# KiCad board vga.kicad_pcb (continued)
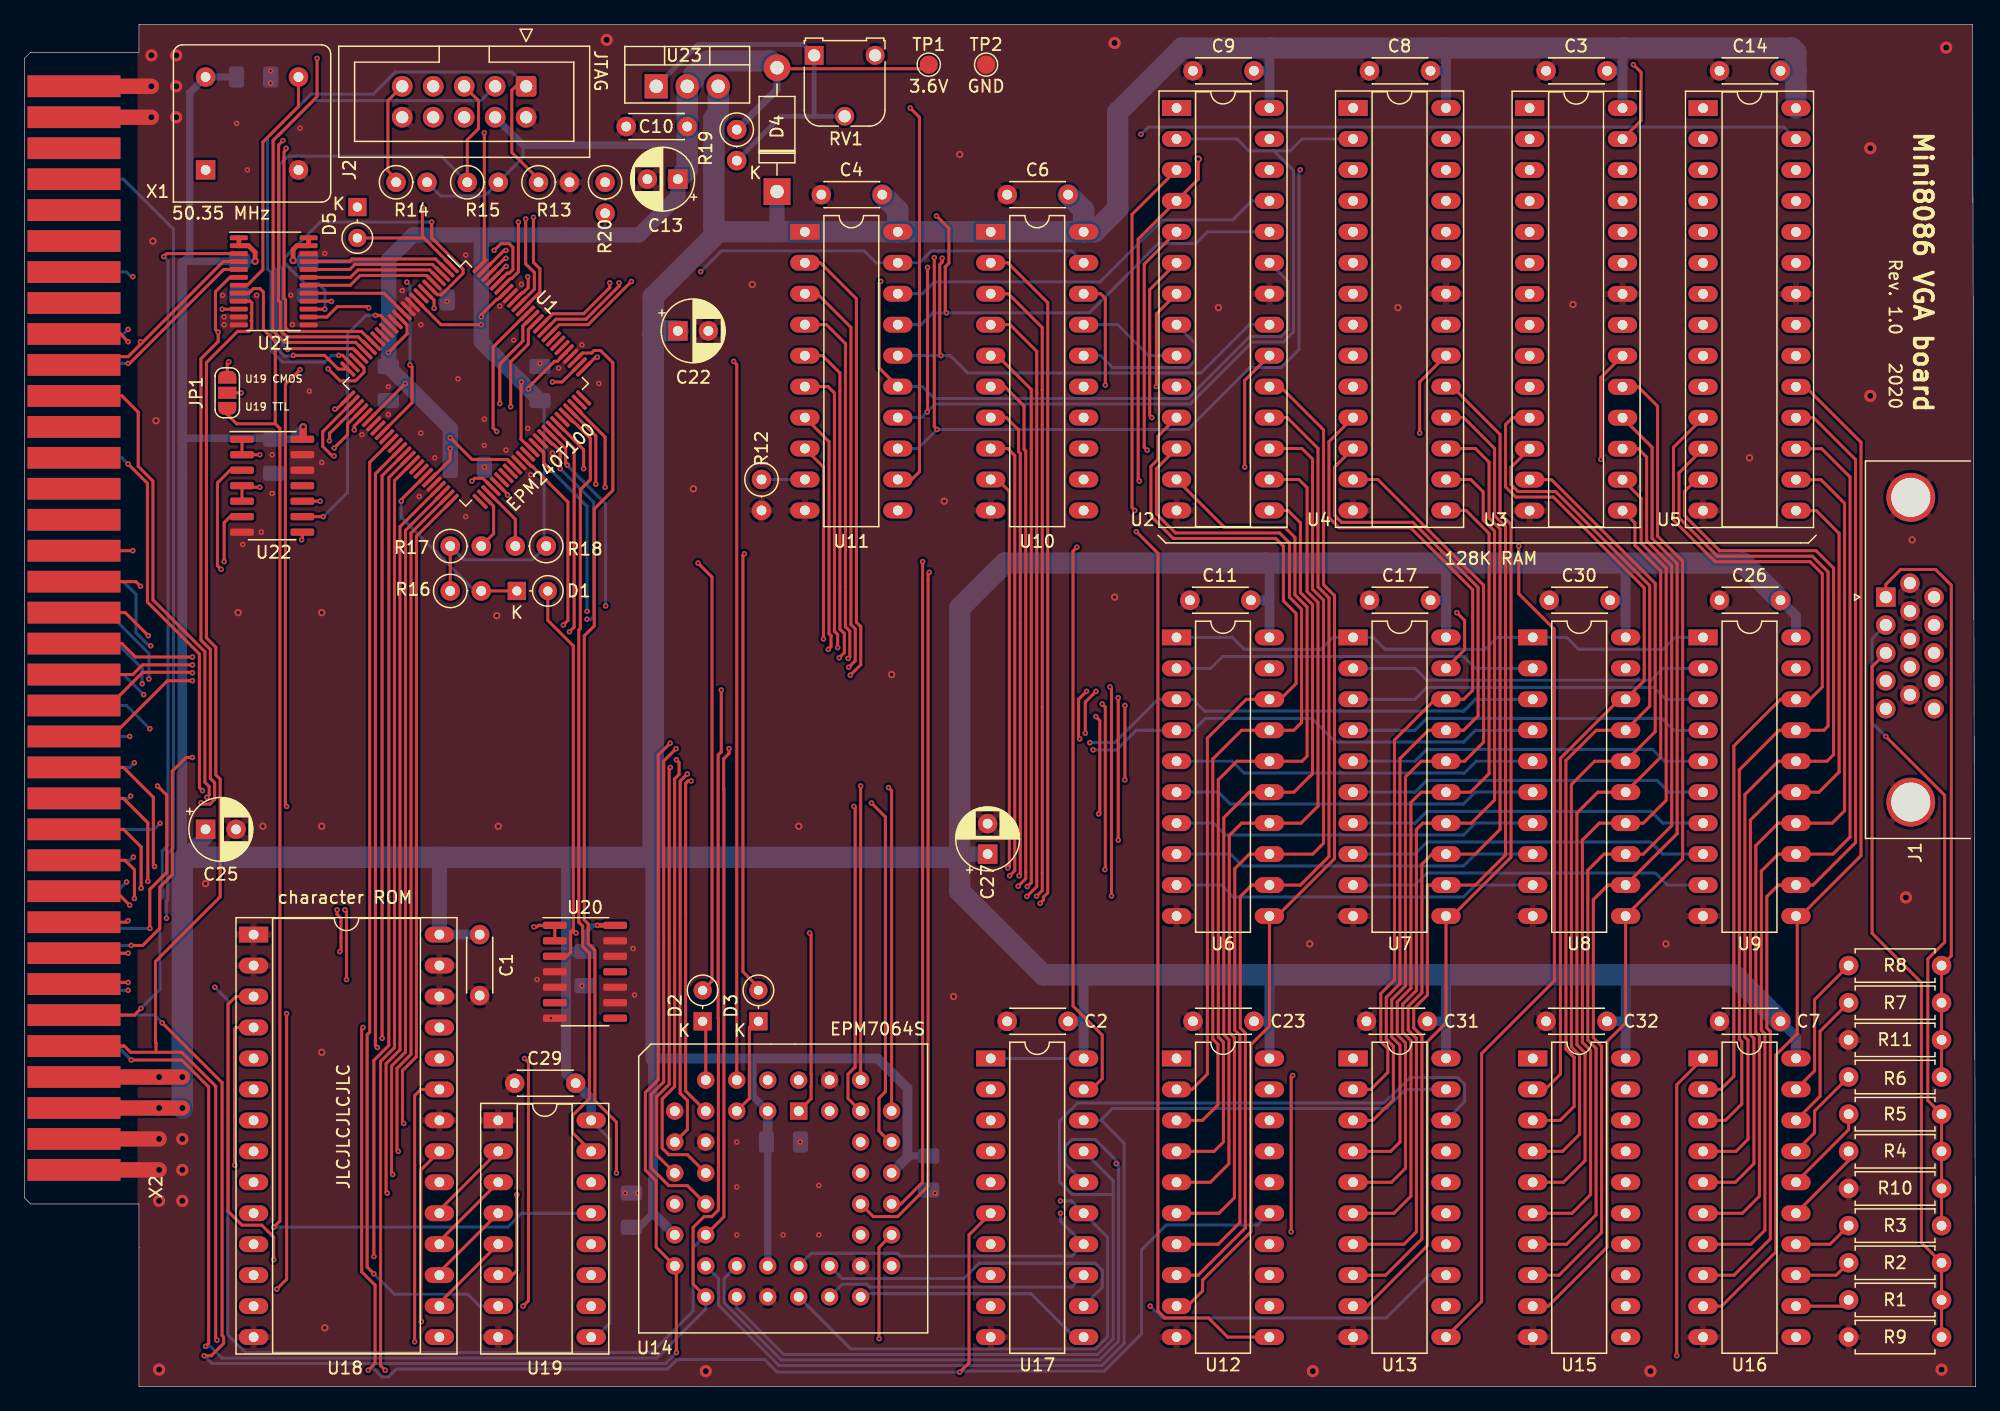
[diagram p0: board, top side]
## Routing (per net, layer and track width the routed paths; a pad name or vN(x,y) marks a point on that pad's centre or on a via; arc(x,y) is an arc through that point) (continued)
IRQ5: length 112.2
  Top w0.25: v1(14.61,48.89) 14.35,49.15 14.35,60.1 10.09,64.36 10.09,74.11 v1(8.51,75.69) ; U14.40 v1(68.58,49.28)
  In1.Cu w0.25: v1(14.61,48.89) 15.05,48.89 15.21,49.05 68.36,49.05 v1(68.58,49.28)
  Bottom w0.25: v1(8.51,75.69) 8,76.2 X2.60
LATCH_CHR: length 157.3
  Top w0.25: v1(47.62,73.79) 47.62,77.9 45.24,80.29 ; U12.11 98.68,4.06 97.11,5.63 93.53,5.63 92.96,6.2 92.96,68.37 v1(91.19,70.15)
  In1.Cu w0.25: v1(47.62,73.79) 51.27,70.15 v1(91.19,70.15) ; U12.11 105.79,4.06 106.77,5.04 126.41,5.04 127.38,4.06 U15.11
LATCH_COL: length 184.3
  Top w0.25: U13.11 119.51,6.99 119.51,27.33 125.48,33.3 125.48,62.13 122.56,65.05 v1(122.56,68.96) ; U1.72 46.86,77.99 v1(46.86,74.04)
  In1.Cu w0.25: v1(122.56,68.96) 121.92,69.6 50.8,69.6 46.86,73.53 v1(46.86,74.04) ; U13.11 117.56,3.09 144.31,3.09 U16.11
PX_CLK: length 80.7
  Top w0.25: v1(28.66,9.26) 28.11,9.81 28.11,28.87 28.32,29.08 28.32,75.84 U1.36
  Bottom w0.25: v1(28.66,9.26) 30.34,7.58 36.36,7.58 37.34,6.6 U19.7
R0D0: length 72.3
  Top w0.25: U2.11 92.96,77.98 92.96,76.07 92.39,75.5 92.39,71.42 94.22,69.58 102.63,69.58 103.25,68.96 103.25,64.47 104.29,63.43 104.29,57.68 103,56.39 U6.18 100.2,56.39 97.01,53.2 97.01,25.64 95.76,24.38 U12.2
R0D1: length 74.1
  Top w0.25: U12.3 96.61,21.84 97.88,23.11 97.88,28.08 97.46,28.5 97.46,51.49 99.82,53.85 U6.17 104.11,53.85 104.74,54.48 104.74,63.78 103.75,64.77 103.75,69.23 102.94,70.03 94.41,70.03 92.84,71.6 92.84,75.31 U2.12
R0D2: length 72.2
  Top w0.25: U2.13 98.43,70.48 103.38,70.48 104.2,69.67 104.2,64.96 105.19,63.96 105.19,51.72 104.78,51.31 U6.16 99.44,51.31 97.91,49.78 97.91,28.69 98.33,28.27 98.33,20.07 97.57,19.3 U12.4
R0D3: length 66.2
  Top w0.25: U12.5 97.26,16.76 98.78,18.29 98.78,28.45 98.36,28.87 98.36,46.67 100.46,48.77 U6.15 104.12,48.77 105.41,50.06 105.43,50.06 105.64,50.27 105.64,64.15 104.65,65.14 104.65,70.87 103.63,71.88 U2.15
R0D4: length 73.3
  Top w0.25: U12.6 97.96,14.22 99.23,15.49 99.23,28.64 98.81,29.06 98.81,45.22 99.82,46.23 U6.14 104.69,46.23 106.09,47.62 106.09,64.34 105.19,65.24 105.19,73.75 104.52,74.42 U2.16
R0D5: length 79.1
  Top w0.25: U12.7 97.9,11.68 99.68,13.46 99.68,28.83 99.26,29.25 99.26,42.49 100.46,43.69 U6.13 105.65,43.69 106.54,44.58 106.54,64.52 105.64,65.42 105.64,76.1 104.78,76.96 U2.17
R0D6: length 82.1
  Top w0.25: U12.8 96.26,9.14 100.13,13.01 100.13,29.01 99.71,29.43 99.71,40.2 100.66,41.15 U6.12 104.65,41.15 106.99,43.49 106.99,64.71 106.09,65.61 106.09,76.97 103.56,79.5 U2.18
R0D7: length 84.4
  Top w0.25: U2.19 103,82.04 106.54,78.5 106.54,65.8 107.44,64.9 107.44,43.31 102.74,38.61 U6.11 102.11,29.58 100.58,28.05 100.58,12.7 96.62,8.74 96.62,7.85 95.38,6.6 U12.9
R1D0: length 71
  Top w0.25: U4.11 106.99,77.53 106.99,71.29 107.83,70.46 113.69,70.46 118.77,65.38 118.77,57.12 118.04,56.39 U7.18 115.7,56.39 112.36,53.05 112.36,33.37 111.24,32.24 111.24,28.31 111.82,27.73 111.82,25.79 110.42,24.38 U13.2
R1D1: length 71.4
  Top w0.25: U13.3 110.58,21.84 112.27,23.53 112.27,27.92 111.69,28.5 111.69,31.94 112.81,33.06 112.81,51.52 115.14,53.85 U7.17 118.04,53.85 119.22,55.03 119.22,65.56 113.88,70.91 108.01,70.91 107.44,71.48 107.44,75.44 U4.12
R1D2: length 69.6
  Top w0.25: U4.13 111,74.42 119.67,65.75 119.67,52.87 118.11,51.31 U7.16 114.55,51.31 113.26,50.01 113.26,32.88 112.14,31.75 112.14,28.69 112.81,28.01 112.81,20.07 112.05,19.3 U13.4
R1D3: length 66.9
  Top w0.25: U4.15 118.23,71.88 120.12,69.99 120.12,50.29 118.6,48.77 U7.15 114.55,48.77 113.71,47.92 113.71,32.69 112.59,31.57 112.59,28.87 113.26,28.2 113.26,17.91 112.12,16.76 U13.5
R1D4: length 72.7
  Top w0.25: U13.6 112.31,14.22 113.71,15.62 113.71,28.39 113.04,29.06 113.04,31.38 114.16,32.5 114.16,45.71 114.68,46.23 U7.14 118.66,46.23 120.57,48.13 120.57,70.18 119.63,71.12 119.63,73.41 118.62,74.42 U4.16
R1D5: length 78.6
  Top w0.25: U13.7 113.14,11.68 114.16,12.7 114.16,28.57 113.49,29.25 113.49,31.19 114.61,32.32 114.61,42.86 115.44,43.69 U7.13 118.99,43.69 121.02,45.72 121.02,70.37 120.12,71.27 120.12,75.84 119,76.96 U4.17
R1D6: length 82.8
  Top w0.25: U13.8 111.63,9.14 114.61,12.12 114.61,28.76 113.94,29.43 113.94,31.01 115.06,32.13 115.06,41.07 115.14,41.15 U7.12 119,41.15 121.47,43.62 121.47,70.55 120.57,71.45 120.57,76.97 118.04,79.5 U4.18
R1D7: length 84.3
  Top w0.25: U13.9 110.11,6.6 115.06,11.56 115.06,28.31 116.59,29.83 U7.11 117.09,38.61 121.92,43.43 121.92,70.74 121.02,71.64 121.02,78.12 117.09,82.04 U4.19
R2D0: length 67.9
  Top w0.25: U3.11 122.03,79.49 121.47,78.92 121.47,73.82 122.3,72.98 125.39,72.98 132.84,65.53 132.84,57.91 U8.18 130.81,56.39 125.97,51.55 125.97,25.64 124.71,24.38 U15.2
R2D1: length 69.5
  Top w0.25: U15.3 125.95,21.84 127.09,22.99 127.09,27.01 126.42,27.68 126.42,51.36 128.91,53.85 U8.17 133.29,55.82 133.29,65.71 125.57,73.43 122.49,73.43 121.92,74 121.92,75.42 U3.12
R2D2: length 68.1
  Top w0.25: U3.13 125.23,74.41 133.74,65.9 133.74,53.73 U8.16 128.78,51.31 126.87,49.4 126.87,27.87 127.54,27.19 127.54,20.7 126.15,19.3 U15.4
R2D3: length 64.1
  Top w0.25: U3.15 132.08,70.85 132.08,69.02 134.19,66.91 134.19,51.64 U8.15 129.03,48.77 127.32,47.05 127.32,28.05 127.99,27.38 127.99,18.54 126.21,16.76 U15.5
R2D4: length 70.8
  Top w0.25: U3.16 132.59,72.88 132.59,69.21 134.64,67.16 134.64,48.1 132.77,46.23 U8.14 129.16,46.23 127.77,44.84 127.77,28.24 128.44,27.57 128.44,15.75 126.92,14.22 U15.6
R2D5: length 76.5
  Top w0.25: U3.17 132.35,76.95 133.04,76.26 133.04,69.4 135.09,67.35 135.09,46.01 132.77,43.69 U8.13 129.54,43.69 128.22,42.37 128.22,28.43 128.89,27.75 128.89,14.1 126.48,11.68 U15.7
R2D6: length 79.8
  Top w0.25: U15.8 125.86,9.14 129.34,12.63 129.34,27.94 128.67,28.61 128.67,39.95 129.87,41.15 U8.12 135.54,45.37 135.54,45.83 135.54,67.53 133.49,69.59 133.49,77.06 U3.18
R2D7: length 84.1
  Top w0.25: U15.9 124.97,6.6 129.79,11.43 129.79,28.31 131.32,29.83 U8.11 135.99,43.28 135.99,67.72 133.94,69.77 133.94,80.44 132.35,82.03 U3.19
R3D0: length 72
  Top w0.25: U16.2 139.12,24.38 140.19,25.46 140.19,52.56 144.02,56.39 U9.18 146.43,56.39 147.45,57.4 147.45,66.67 146.44,67.68 138.65,67.68 135.24,71.09 135.24,77.06 U5.11
R3D1: length 73.2
  Top w0.25: U5.12 135.69,74.97 135.69,71.28 138.84,68.13 146.63,68.13 147.92,66.84 147.92,54.2 147.57,53.85 U9.17 143.89,53.85 140.64,50.6 140.64,28.5 140.84,28.3 140.84,23.18 139.5,21.84 U16.3
R3D2: length 74.3
  Top w0.25: U5.13 137.12,74.41 136.14,73.43 136.14,71.46 139.03,68.58 146.94,68.58 148.37,67.15 148.37,51.85 147.83,51.31 U9.16 143.84,51.31 141.1,48.57 141.1,31.26 141.09,31.26 141.09,28.69 141.35,28.43 141.35,20.28 140.37,19.3 U16.4
R3D3: length 65.9
  Top w0.25: U16.5 140.31,16.76 141.84,18.29 141.84,28.58 141.54,28.87 141.54,31.07 141.55,31.08 141.55,46.48 143.84,48.77 U9.15 147.17,48.77 148.82,50.42 148.82,70 146.95,71.87 U5.15
R3D4: length 72.6
  Top w0.25: U16.6 140.89,14.22 142.29,15.62 142.29,28.77 141.99,29.06 141.99,30.88 142,30.89 142,44.39 143.84,46.23 U9.14 148.26,46.23 149.27,47.24 149.27,72.47 147.33,74.41 U5.16
R3D5: length 78.5
  Top w0.25: U16.7 141.59,11.68 142.74,12.83 142.74,28.95 142.44,29.25 142.44,30.7 142.45,30.7 142.45,42.3 143.84,43.69 U9.13 148.32,43.69 149.72,45.09 149.72,74.62 147.4,76.95 U5.17
R3D6: length 81.8
  Top w0.25: U5.18 146.74,79.49 150.17,76.05 150.17,44.63 146.69,41.15 U9.12 143.84,41.15 142.9,40.21 142.9,30.52 142.89,30.51 142.89,29.43 143.19,29.14 143.19,12.12 140.21,9.14 U16.8
R3D7: length 84.7
  Top w0.25: U16.9 139.19,6.6 143.64,11.05 143.64,27.2 145.39,28.96 145.39,38.5 U9.11 145.67,38.61 150.62,43.56 150.62,77.47 146.06,82.03 U5.19
RA0: length 109.2
  Top w0.25: v1(49.78,90.67) 46.24,87.12 43.85,87.12 U1.84 ; v1(88.65,82.17) 88.65,89.28 88.27,89.66 U10.18
  In1.Cu w0.25: v1(88.65,82.17) 88.83,81.98 91.89,81.98 92.5,82.59 93.94,82.59 U2.10 96.52,82.04 97.5,83.02 105.96,83.02 106.93,82.04 U4.10 112.65,82.04 113.62,81.07 120.44,81.07 121.4,82.03 U3.10 125.62,82.03 126.59,81.05 134.65,81.05 135.62,82.03 U5.10 ; U10.18 85.47,89.66 84.5,90.64 74.76,90.64 72.77,88.65 67.95,88.65 67.54,88.24 58.43,88.24 56.19,90.47 54.94,90.47 54.65,90.77 49.88,90.77 v1(49.78,90.67)
RA1: length 103.7
  Top w0.25: U1.85 43.59,87.57 46.05,87.57 48.77,90.29 v1(48.77,90.55)
  In1.Cu w0.25: U2.9 99.31,84.58 100.29,85.56 104.31,85.56 105.28,84.58 U4.9 114.05,84.58 115.02,85.56 119.29,85.56 120.28,84.57 U3.9 128.7,84.57 129.68,85.54 132.39,85.54 133.36,84.57 U5.9 ; v1(48.77,90.55) 49.54,89.78 56.25,89.78 58.24,87.79 61.18,87.79 62.82,86.15 66.08,86.15 68.03,88.1 72.86,88.1 73.41,88.65 83.82,88.65 85.34,87.12 U10.17
  Bottom w0.25: U10.17 89.66,87.12 92.2,84.58 U2.9
RA2: length 107.7
  Top w0.25: U1.86 43.34,88.02 45.87,88.02 48.01,90.16 v1(48.01,90.55)
  In1.Cu w0.25: v1(48.01,90.55) 48.13,90.42 48.13,90.37 49.18,89.33 56.06,89.33 58.06,87.34 61,87.34 62.64,85.7 80.55,85.7 81.66,84.58 U10.16 ; U2.8 98.43,87.12 99.4,88.1 105.01,88.1 105.98,87.12 U4.8 113.41,87.12 114.39,88.1 119.29,88.1 120.28,87.11 U3.8 127.24,87.11 128.22,88.08 133.66,88.08 134.63,87.11 U5.8
  Bottom w0.25: U10.16 88.27,84.58 89.24,83.61 95.44,83.61 96.01,84.18 96.01,85.6 U2.8
RA3: length 116.6
  Top w0.25: U1.87 41.33,86.72 41.33,85.52 39.88,84.07 v1(39.88,80.39) ; U2.7 92.84,88.01 v1(92.84,82.04)
  In1.Cu w0.25: v1(39.88,80.39) 43.23,80.39 45.86,83.02 84.3,83.02 85.27,82.04 U10.15 87.38,81.53 92.33,81.53 v1(92.84,82.04) ; U5.7 134,89.65 133.02,90.62 128.6,90.62 127.62,89.65 U3.7 120.92,89.65 119.93,90.64 111.85,90.64 110.87,89.66 U4.7 107.06,89.66 106.09,90.64 99.21,90.64 98.23,89.66 U2.7
RA4: length 122.1
  Top w0.25: U1.88 41.59,87.72 40.88,87.01 40.88,85.78 38.99,83.89 v1(38.99,80.64) ; v1(92.46,79.5) 92.29,79.67 92.29,90 U2.6
  In1.Cu w0.25: U5.6 137.65,92.2 134.75,92.2 133.76,91.21 127.33,91.21 126.35,92.19 U3.6 120.89,92.19 119.93,91.23 111.85,91.23 110.87,92.2 U4.6 107.06,92.2 106.09,91.23 99.15,91.23 98.17,92.2 U2.6 ; v1(92.46,79.5) U10.14 81.66,79.5 80.64,80.52 62.23,80.52 61.55,79.84 39.61,79.84 38.99,80.47 v1(38.99,80.64)
RA5: length 129.7
  Top w0.25: U1.89 41.23,88.08 38.44,85.28 38.44,78.66 v1(38.73,78.36) ; v1(92.07,76.84) 91.84,77.07 91.84,92.09 U2.5
  In1.Cu w0.25: v1(92.07,76.84) 91.95,76.96 U10.13 81.63,76.96 80.65,77.94 39.16,77.94 v1(38.73,78.36) ; U5.5 134.48,94.73 133.5,93.75 127.1,93.75 126.12,94.73 U3.5 119.51,94.73 118.55,93.77 113.37,93.77 112.4,94.74 U4.5 106.68,94.74 105.7,93.77 99.27,93.77 98.3,94.74 U2.5
RA6: length 144.3
  Top w0.25: v3(96.27,100.71) 96.27,99.06 U2.4 91.34,94.14 91.34,74.39 v1(91.44,74.3) ; v1(41.75,95.93) 41.75,92.24 42.28,91.71 42.28,89.79 U1.90
  In1.Cu w0.25: v3(96.27,100.71) 96.18,100.8 92.23,100.8 90.9,99.47 60.36,99.47 55.91,95.02 42.67,95.02 v1(41.75,95.93) ; v1(91.44,74.3) 91.31,74.42 U10.12 ; U5.4 134.38,97.27 133.4,98.24 127.96,98.24 126.99,97.27 U3.4 120.16,97.27 119.17,98.26 113.75,98.26 112.78,97.28 U4.4 105.79,97.28 104.82,98.26 99.27,98.26 98.3,97.28 U2.4
RA7: length 143.3
  Top w0.25: v1(41.11,95.8) 41.11,92.11 41.83,91.4 41.83,90.03 40.58,88.78 U1.91 ; U2.3 90.83,96.17 90.83,72.11 v1(91.06,71.88)
  In1.Cu w0.25: v1(41.11,95.8) 42.34,94.57 59.9,94.57 61.85,96.52 74.47,96.52 74.61,96.66 91.2,96.66 94.36,99.82 U2.3 97.41,99.82 98.38,100.8 106.47,100.8 107.44,99.82 U4.3 111.89,99.82 112.86,100.8 119.93,100.8 120.92,99.81 U3.3 126.35,99.81 127.32,100.78 134.42,100.78 135.4,99.81 U5.3 ; U10.11 v1(91.06,71.88)
RA8: length 113.6
  Top w0.25: v1(41.28,91.06) 41.32,91.02 41.32,90.16 40.91,89.75 40.82,89.75 U1.92
  In1.Cu w0.25: v1(41.28,91.06) 41.62,91.06 41.78,91.22 54.85,91.22 55.14,90.92 56.38,90.92 58.62,88.69 67.35,88.69 68.33,89.66 U11.18 ; U2.25 104.71,97.28 105.69,96.31 112.44,96.31 113.41,97.28 U4.25 119.19,97.28 120.18,96.29 127.69,96.29 128.66,97.27 U3.25 133.36,97.27 134.34,96.29 140.26,96.29 141.24,97.27 U5.25
  Bottom w0.25: U11.18 73.66,89.66 74.64,90.64 88.22,90.64 93.3,95.72 99.09,95.72 100.66,97.28 U2.25
RA9: length 129.4
  Top w0.25: U1.95 39.85,90.9 39.96,90.9 40.51,91.46 v1(40.51,95.54) ; v1(74.8,96.04) 75.82,95.03 75.82,92.17 75.52,91.87 75.52,88.2 v1(75.62,88.1)
  In1.Cu w0.25: U5.24 141.11,94.73 140.14,95.7 134.44,95.7 133.46,94.73 U3.24 127.01,94.73 126.04,95.7 119.45,95.7 118.49,94.74 U4.24 113.41,94.74 112.44,95.72 106.64,95.72 105.66,94.74 U2.24 ; v1(40.51,95.54) 41.91,94.14 42,94.14 42.03,94.12 60.08,94.12 62.01,96.04 v1(74.8,96.04)
  Bottom w0.25: U11.17 73.53,87.12 74.51,88.1 87.34,88.1 93,93.77 96.05,93.77 97.03,94.74 U2.24
RA10: length 129.5
  Top w0.25: v1(38.52,93.22) 39.07,93.77 39.76,93.77 40.06,93.47 40.06,91.64 39.77,91.35 39.6,91.35 U1.96 ; v1(75.27,92.58) 75.27,92.26 75.07,92.06 75.07,84.58 v1(75.17,84.58)
  In1.Cu w0.25: v1(38.52,93.22) 39.07,93.77 39.76,93.77 39.86,93.67 74.39,93.67 75.27,92.79 v1(75.27,92.58) ; U2.21 104.9,87.12 105.88,86.15 113.45,86.15 114.43,87.12 U4.21 119.63,87.12 120.62,86.13 127.53,86.13 128.51,87.11 U3.21 133.34,87.11 134.31,86.13 139.85,86.13 140.83,87.11 U5.21
  Bottom w0.25: U11.16 75.95,84.58 77.37,83.16 96.49,83.16 100.46,87.12 U2.21
RA11: length 128.7
  Top w0.25: v1(70.23,90.68) 70.1,90.55 70.1,83.57 U11.15 ; U1.97 39.44,91.9 v1(39.51,91.9)
  In1.Cu w0.25: v1(70.23,90.68) 70.13,90.78 62.64,90.78 61.3,92.12 40.81,92.12 40.6,91.9 v1(39.51,91.9) ; U2.23 105.98,92.2 106.96,93.18 111.04,93.18 112.01,92.2 U4.23 119.89,92.2 120.85,93.16 126.29,93.16 127.27,92.19 U3.23 133.59,92.19 134.57,93.16 139.63,93.16 140.6,92.19 U5.23
  Bottom w0.25: U2.23 103.63,90.68 103.63,86.72 103.06,86.15 100.5,86.15 96.01,81.66 96.01,81.64 95.44,81.07 74.64,81.07 73.66,82.04 U11.15
RA12: length 161
  Top w0.25: v1(74.07,91.82) 74.07,80 v1(74.04,79.97) ; U1.98 39.4,92.57 v1(39.5,92.57)
  In1.Cu w0.25: U5.2 134.38,102.35 133.4,103.32 127.96,103.32 126.99,102.35 U3.2 120.92,102.35 119.92,101.35 111.38,101.35 110.36,102.36 U4.2 107.44,102.36 106.43,101.35 100.33,101.35 99.31,102.36 U2.2 ; v1(39.5,92.57) 61.48,92.57 62.82,91.23 73.48,91.23 v1(74.07,91.82)
  Bottom w0.25: 102.47,101.39 103.8,101.39 104.78,102.36 U4.2 ; 102.47,101.39 100.42,101.39 99.44,102.36 U2.2 ; 102.47,101.39 104.08,99.78 104.08,86.53 103.25,85.7 100.68,85.7 96.46,81.48 96.46,81.45 95.63,80.62 74.69,80.62 v1(74.04,79.97) 73.58,79.5 U11.14
RA13: length 148.7
  Top w0.25: v1(39.5,93.22) 39.34,93.22 U1.99 ; v1(74.62,92.63) 74.62,78.75 v1(74.84,78.53)
  In1.Cu w0.25: v1(74.62,92.63) 74.03,93.22 v1(39.5,93.22) ; U5.26 141.59,99.81 140.62,98.83 135.2,98.83 134.22,99.81 U3.26 126.99,99.81 126.01,98.83 120.88,98.83 119.89,99.82 U4.26 112.52,99.82 111.55,98.85 107.78,98.85 106.8,99.83 v1(104.63,99.83) 102.12,99.83 U2.26
  Bottom w0.25: v1(104.63,99.83) 104.53,99.74 104.53,85.08 103.06,83.61 100.5,83.61 96.01,79.12 96.01,79.1 95.44,78.53 v1(74.84,78.53) 73.28,76.96 U11.13
RA14: length 147.4
  Top w0.25: v1(37.72,102.87) 37.72,92.31 U1.100 ; U11.12 72.77,74.42 73.41,75.06 73.41,104.14 v1(72.64,104.9)
  In1.Cu w0.25: U5.1 135.02,104.89 134.04,105.86 127.58,105.86 126.6,104.89 U3.1 120.54,104.89 119.55,105.88 114.89,105.88 113.92,104.9 U4.1 104.14,104.9 103.16,105.88 101.05,105.88 100.08,104.9 U2.1 v1(72.64,104.9) 68.45,104.9 68.03,105.32 66.74,105.32 66.7,105.28 41.74,105.28 41.71,105.32 40.58,105.32 39.78,104.51 39.78,103.6 39.05,102.87 v1(37.72,102.87)
RDY1: length 30
  Top w0.25: v1(22.73,69.47) 22.8,69.53 U22.8 ; v1(8.51,85.72) 7.87,86.36 X2.28
  In1.Cu w0.25: v1(22.73,69.47) 18.41,69.47 9.07,78.81 9.07,85.16 v1(8.51,85.72)
VSYNC: length 222
  Top w0.25: 17.58,75.17 16.86,75.17 15.83,74.15 15.83,67.35 v1(16.13,67.06) ; v1(74.21,66.8) 74.11,66.7 74.11,16.44 71.62,13.95 69.62,13.95 U14.34
  In1.Cu w0.25: J1.14 157.74,56.77 157.74,55.07 157.15,54.48 152.11,54.48 149.86,56.74 149.86,64.39 147.26,66.99 74.39,66.99 v1(74.21,66.8) 73.41,66.8 73.17,66.56 51.16,66.56 50.79,66.94 41.41,66.94 41.4,66.93 16.26,66.93 v1(16.13,67.06)
~{BHE}: length 14.8
  Top w0.25: U21.10 17.57,88.39 v1(16.22,88.39)
  In1.Cu w0.25: v1(16.22,88.39) 13.55,91.06 v1(8.89,91.06)
  Bottom w0.25: v1(8.89,91.06) 8.76,91.06 8.38,91.44 X2.66
~{BLOCK_CPU}: length 22.1
  Top w0.25: v1(24.51,71.37) U22.9 ; U1.15 29.19,87.88 v1(28.8,87.88)
  Bottom w0.25: v1(28.8,87.88) 28.01,87.88 26.5,86.37 26.5,73.36 v1(24.51,71.37)
~{CHAR_BG}: length 71.9
  Top w0.25: v1(46.99,84.45) 46.84,84.45 U1.76 ; U14.4 58.42,83.86 v1(58.17,84.12)
  In1.Cu w0.25: v1(46.99,84.45) 57.83,84.45 v1(58.17,84.12)
~{CHARMODE}: length 96.2
  Top w0.25: U19.6 40,9.14 40.39,9.53 40.39,15.75 v1(40.39,15.75) ; U1.78 45.77,84.8 46.52,84.8 46.73,85.01 47.25,85.01 48.26,84 48.26,73.53 46.74,72.01 46.74,62.41 45.92,61.59 45.92,38.29 46.24,37.97 46.24,36.34 46.79,35.79 46.79,23.47 48.56,21.7 v1(48.56,17.53)
  In1.Cu w0.25: v1(48.56,17.53) 48.33,17.75 42.39,17.75 v1(40.39,15.75) 35.62,15.75 34.61,16.76 U18.20
~{CHR_TO_COL}: length 95.1
  Top w0.25: v1(45.86,75.31) 45.86,76.87 U1.69 ; v1(86.31,68.86) 86,68.55 86,31.24 88.39,28.84 88.39,25.27 87.5,24.38 U17.19
  In1.Cu w0.25: v1(86.31,68.86) 86,68.86 85.83,69.03 50.73,69.03 45.86,73.9 v1(45.86,75.31)
~{CPU_RAM0}: length 76.2
  Top w0.25: U1.68 45.09,76.94 45.09,62.32 v1(44.7,61.93)
  In1.Cu w0.25: v1(44.7,61.93) 66.59,61.93 68.62,59.9 96.81,59.9 97.79,58.93 U6.19
~{CPU_RAM1}: length 92.2
  Top w0.25: U7.19 118.11,60.45 118.11,62.86 v1(117.47,63.5) ; U1.67 43.06,78.28 44.39,76.95 44.39,75.75 44.58,75.56
  In1.Cu w0.25: v1(117.47,63.5) 117.32,63.34 92.66,63.34 92.13,62.82 75.24,62.82 74.22,63.83 70.61,63.83 47.89,63.83 v1(47.67,64.06)
  Bottom w0.25: 44.58,75.56 44.58,75.51 47.67,72.42 v1(47.67,64.06)
  vias: v1(44.52,75.6)
~{CPU_RAM2}: length 104.4
  Top w0.25: U1.66 43.29,77.32 43.38,77.32 43.94,76.76 v1(43.94,75.31)
  In1.Cu w0.25: v1(46.14,62.96) 46.17,62.93 73.85,62.93 74.86,61.92 92.5,61.92 93.03,62.44 117.54,62.44 120.08,59.9 129.07,59.9 130.05,58.93 U8.19
  Bottom w0.25: v1(43.94,75.31) 46.69,72.56 46.69,63.19 46.46,62.96 v1(46.14,62.96)
~{CPU_RAM3}: length 116.9
  Top w0.25: U1.64 42.59,76.61 42.59,75.78 v1(43.18,75.18)
  In1.Cu w0.25: U9.19 143,58.93 142.03,59.9 129.83,59.9 129.38,60.35 120.37,60.35 117.83,62.89 92.84,62.89 92.32,62.37 75.05,62.37 74.03,63.38 46.69,63.38 46.46,63.61 v1(46.14,63.61)
  Bottom w0.25: v1(43.18,75.18) 46.14,72.22 v1(46.14,63.61)
~{CPU_RAM_ADDR}: length 71.5
  Top w0.25: v1(31.62,83.82) 31.79,83.65 31.79,80.72 U1.34
  In1.Cu w0.25: v1(55.47,91.47) 55.27,91.67 41,91.67 39.94,90.61 v1(31.37,90.61)
  Bottom w0.25: U10.19 85.89,93.18 74.38,93.18 73.41,92.2 U11.19 69.85,92.2 68.87,93.18 57.17,93.18 v1(55.47,91.47) ; v1(31.62,83.82) 31.62,90.36 v1(31.37,90.61)
~{CS_R0}: length 92.9
  Top w0.25: U2.20 100.08,82.55 v1(100.08,75.44) ; U1.27 24.47,78.35 24.47,77.13 25.24,76.36 v1(25.4,76.36)
  In1.Cu w0.25: v1(100.08,75.44) 99.98,75.54 62.51,75.54 61.01,77.04 45.03,77.04 44.03,76.03 41.94,76.03 40.8,74.89 29.52,74.89 27.85,76.55 25.92,76.55 25.72,76.36 v1(25.4,76.36)
~{CS_R1}: length 102.1
  Top w0.25: v1(25.02,77.6) 25.02,78.23 25.06,78.23 U1.28 ; U4.20 114.43,82.42 v1(114.43,78.23)
  In1.Cu w0.25: v1(25.02,77.6) 25.06,77.55 27.95,77.55 29.22,78.82 37.98,78.82 38.32,79.16 41.54,79.16 42.31,78.39 73.82,78.39 74.5,79.08 75.11,79.08 75.66,78.53 113.96,78.53 114.05,78.61 v1(114.43,78.23)
~{CS_R2}: length 118.4
  Top w0.25: U1.29 26.5,78.97 26.5,78.1 v1(25.41,77) ; U3.20 129.29,82.79 v1(129.29,76.07)
  In1.Cu w0.25: v1(129.29,76.07) 129.19,75.97 115.65,75.97 115.63,75.99 62.7,75.99 61.2,77.49 38.97,77.49 37.9,76.41 34.66,76.41 34.07,77 v1(25.41,77)
~{CS_R3}: length 122.3
  Top w0.25: v1(27.05,78.49) 27.05,78.81 U1.30
  In1.Cu w0.25: U5.20 144.29,83.57 45.77,83.57 43.51,81.3 29.86,81.3 v1(27.05,78.49)
~{OE_L0}: length 117.2
  Top w0.25: U1.38 28.79,74.89 28.79,27.98 v1(28.94,27.82)
  In1.Cu w0.25: v1(28.94,27.82) 29.02,27.9 75.61,27.9 78.11,25.4 91.44,25.4 92.96,26.92 U12.1
~{OE_L1}: length 129
  Top w0.25: v1(29.34,28.58) 29.34,74.73 U1.39
  In1.Cu w0.25: v1(29.34,28.58) 29.56,28.35 102.84,28.35 104.27,26.92 U13.1
~{OE_L2}: length 177.7
  Top w0.25: v1(103.89,12.7) 103.89,25.4 v1(104.01,25.53) ; v1(28.66,10.67) 28.66,26.76 29.89,27.99 29.89,74.57 U1.40
  In1.Cu w0.25: v1(28.66,10.67) 42.67,10.67 44.8,12.8 47.4,12.8 49.26,10.94 75.97,10.94 77.68,12.66 81.87,12.66 82.32,13.11 103.48,13.11 v1(103.89,12.7) ; v1(104.01,25.53) 104.43,25.95 120.44,25.95 121.41,26.92 U15.1
~{OE_L3}: length 208.1
  Top w0.25: U1.41 30.35,74.33 30.35,27.82 29.21,26.68 29.21,1.72 v1(29.59,1.34) ; U16.1 135.51,24.77 v1(135.51,2.54)
  In1.Cu w0.25: v1(29.59,1.34) 30.44,2.19 47.36,2.19 48.56,3.39 77.13,3.39 77.88,2.64 135.41,2.64 v1(135.51,2.54)
~{PE_CHPX}: length 63.2
  Top w0.25: U1.71 44.49,79.7 45.1,79.09 45.13,79.09 46.41,77.81 46.41,74.4 45.59,73.59 45.59,62.19 45.47,62.06 45.47,38.1 45.79,37.78 45.79,36.13 46.34,35.58 46.34,23.63 44.96,22.25 44.96,20.83 U19.15
~{RD}: length 16.8
  Top w0.25: 17.58,91.65 16.34,91.65 8.64,83.95 v1(8.51,83.95)
  Bottom w0.25: X2.63 4.19,83.95 v1(8.51,83.95)
~{RESET}: length 66.8
  Top w0.25: U20.3 44.47,35.31 44.8,35.63 44.8,37.31 ; 44.8,37.31 45.02,37.52 45.02,60.78 42.93,62.86 D1.2 ; 44.8,37.31 45.14,37.31 v1(45.24,37.21) ; v1(64.39,37.21) 64.52,37.08 64.52,25.66 64.54,25.64 64.54,24.65 64.52,24.63 64.52,23.62 U14.1
  In1.Cu w0.25: v1(64.39,37.21) v1(45.24,37.21)
~{VGA_IO}: length 122.8
  Top w0.25: v1(70.87,49.15) 71.12,48.89 U14.39 ; X2.26 8,81.28 9.34,79.95 9.34,75.5 10.54,74.3 10.54,64.55 14.8,60.29 14.8,49.59 15.16,49.23 15.16,48.53 v1(14.97,48.34)
  In1.Cu w0.25: v1(14.97,48.34) 15.07,48.44 15.24,48.44 15.4,48.6 70.32,48.6 v1(70.87,49.15)
~{VGA_MEM}: length 42.7
  Top w0.25: U22.10 v1(24.26,72.64) ; 9.63,85.62 16.31,92.3 U21.4 ; 9.63,85.62 8.51,84.5 4.74,84.5 X2.27 ; 9.63,85.62 v1(9.52,85.72)
  In1.Cu w0.25: v1(24.26,72.64) 15.88,72.64 9.52,78.99 v1(9.52,85.72)
~{WE_R0}: length 105.7
  Top w0.25: v1(21.46,101.6) 21.46,101.47 21.29,101.3 21.29,89.27 21.42,89.14 21.42,86.86 21.71,86.57 27.64,86.57 28.61,85.6 U1.19
  In1.Cu w0.25: v1(21.46,101.6) 21.73,101.87 54.51,101.87 56.91,104.27 61.85,104.27 61.85,104.27 61.98,104.27 63.57,102.67 67.98,102.67 68.69,103.38 99.19,103.38 100.2,102.36 U2.27
~{WE_R1}: length 122.3
  Top w0.25: v1(21.21,102.23) 20.84,101.86 20.84,89.08 20.97,88.96 20.97,86.67 21.52,86.12 27.38,86.12 28.26,85.25 U1.20
  In1.Cu w0.25: v1(21.21,102.23) 21.3,102.32 41.07,102.32 43.58,104.83 62.17,104.83 63.89,103.12 67.8,103.12 68.51,103.83 116.02,103.83 116.59,103.26 U4.27
~{WE_R2}: length 148.7
  Top w0.25: U1.21 27.16,85.67 21.33,85.67 20.39,86.61 20.39,102.23 24,105.84 v1(24,108.97) ; U3.27 132.59,103.87 132.59,107.82 v1(131.95,108.46)
  In1.Cu w0.25: v1(24,108.97) 24.67,109.63 62.41,109.63 63.15,108.89 63.15,108.76 63.79,108.12 70.3,108.12 71.25,109.08 131.34,109.08 v1(131.95,108.46)
~{WE_R3}: length 139
  Top w0.25: v1(25.47,80.2) 25.61,80.2 U1.26
  In1.Cu w0.25: v1(25.47,80.2) 27.55,82.28 27.55,88.91 30.93,92.3 30.93,97.59 31.61,98.27 31.61,99.3 33.73,101.42 54.7,101.42 55.28,102 67.95,102 68.88,102.93 91.38,102.93 v1(91.57,102.74)
  Bottom w0.25: U5.27 144.3,103.34 92.16,103.34 v1(91.57,102.74)
~{WR}: length 143.1
  Top w0.25: v1(69.47,47.88) 70.61,46.74 70.61,24.2 70.08,23.67 70.08,20.98 70.99,20.07 U14.37 ; v1(14.49,47.9) 14.6,47.79 15.23,47.79 15.61,48.17 15.61,49.55 15.25,49.9 15.25,60.48 14.48,61.25 14.48,84.33 15.89,85.74 v1(15.89,86.5) 15.67,86.73 15.67,89.83 16.85,91 U21.6
  In1.Cu w0.25: v1(14.49,47.9) 14.72,47.67 15.42,47.67 15.89,48.15 69.2,48.15 v1(69.47,47.88) ; v1(8.51,86.74) 8.89,86.36 15.75,86.36 v1(15.89,86.5)
  Bottom w0.25: v1(8.51,86.74) 8.13,86.36 X2.64
Net-(U11-A7): length 3.6
  Bottom w0.25: R12.1 U11.9
Net-(U18-D0): length 29.8
  In1.Cu w0.25: U19.14 42.35,16.76 40.79,15.2 40.05,15.2 40.05,15.2 25.61,15.2 22.1,11.68 U18.11
Net-(U18-D1): length 28.7
  In1.Cu w0.25: U18.12 26.8,9.14 27.77,10.12 43.01,10.12 44.58,11.68 U19.12
Net-(U18-D2): length 28.7
  In1.Cu w0.25: U18.13 30.99,6.6 31.96,7.58 43.27,7.58 44.83,9.14 U19.11
Net-(U18-D3): length 13.5
  In1.Cu w0.25: U18.15 35.01,5.04 43.65,5.04 45.21,6.6 U19.10
Net-(U18-D4): length 7.1
  Top w0.25: U18.16 34.04,6.86 U19.5
Net-(U18-D5): length 7.1
  Top w0.25: U18.17 34.04,9.4 U19.4
Net-(U18-D6): length 7.1
  Top w0.25: U18.18 34.04,11.94 U19.3
Net-(U18-D7): length 7.1
  Top w0.25: U19.2 34.04,14.48 U18.19
Net-(U23-ADJ): length 30.1
  Bottom w0.25: 64.77,104.27 64.72,104.22
  Bottom w0.4: U23.1 55.25,110.11 63.88,110.11 RV1.1 64.77,104.27 ; R19.2 62.06,104.22 RV1.2

## Copper pours and planes (outline as drawn; the poured copper is in the pictures)
GND on Top: 159.77,0 9.27,0 9.27,111.76 159.77,111.76
GND on Bottom: 159.77,111.51 159.77,0 9.14,0 9.14,111.76 9.4,111.76
GND on In1.Cu: 160.02,0 9.14,0 9.14,111.76 160.02,111.76
GND on In2.Cu: 160.02,0 9.4,0 9.4,111.76 159.77,111.76

## Text on the board
F.Silkscreen: U19 CMOS | U19 TTL | 50.35 MHz | character ROM | EPM7064S | 3.6V | GND | 128K RAM | EPM240T100 | JLCJLCJLCJLC | JTAG | Rev. 1.0   2020 | Mini8086 VGA board
